# Allegro board Lay-45699_A.brd (continued)
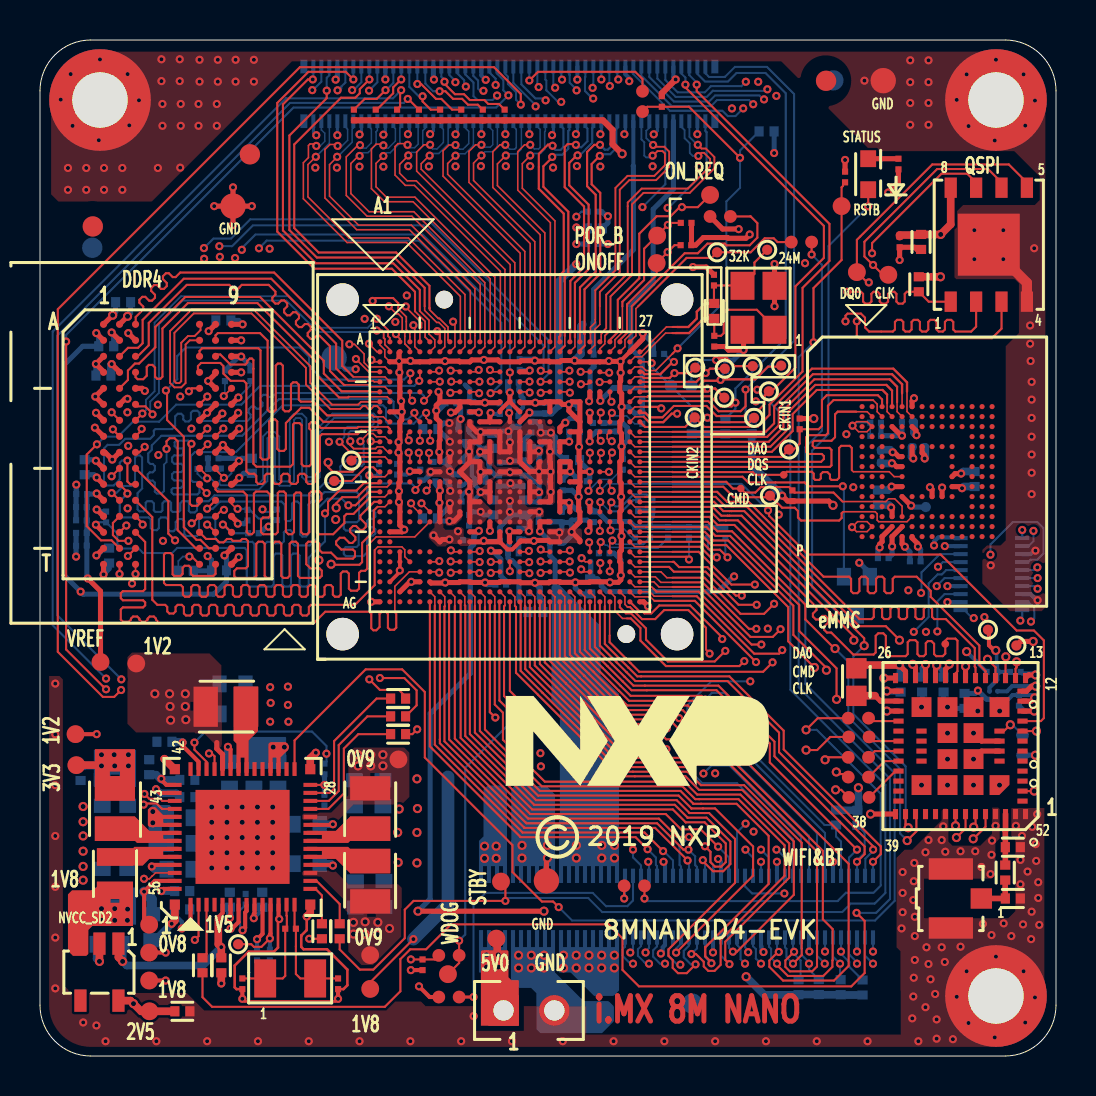
[diagram p0: board, top side]
## Routing (per net, layer and track width the routed paths; a pad name or vN(x,y) marks a point on that pad's centre or on a via; arc(x,y) is an arc through that point) (continued)
VDD_ARM_0V9: length 7.5
  TOP w0.254: v1(24.45,26.25) 24.49,26.29 U1.W16 ; v1(24.97,27.21) U1.V16
  BOTTOM w0.254: C36.1 24.33,26.37 v1(24.45,26.25) 24.45,26.82 C33.1 ; C35.1 23.38,28.5 v1(23.52,28.64) 23.67,28.49 C253.1 ; v1(23.49,27.2) 23.64,27.06 C33.1 ; v1(23.49,27.2) 23.49,27.75 v1(23.5,27.76) ; v1(23.49,27.2) 23.49,26.95 22.99,26.45 C251.1 ; C33.1 24.46,27.06 24.61,27.21 v1(24.97,27.21) 24.94,27.18 C248.1
  vias: v2(15.9,15.06) v2(15.9,14.51) v2(16.54,15.06) v2(16.54,14.51) v2(17.15,15.06) v2(17.15,14.51)
VDD_PHY_1V2: length 69.3
  TOP w0.203: U8.44 5.99,13.15 v1(5.8,13.34) ; TP31.1 v1(2.83,16.09)
  TOP w0.254: U1.J15 24.46,32.17 v1(24.47,32.17)
  L3_IN1 w0.203: v1(2.83,16.09) 4.2,16.09 5.21,15.09 5.21,13.93 v1(5.8,13.34)
  L4_PWR_1 w0.381: v1(5.8,13.34) 6.28,13.34 7.45,14.51 14.02,14.51 14.83,13.69 18.68,13.69 v2(18.85,13.86)
  L5_PWR_2 w0.381: v1(26.81,39.59) 26.81,38.67 30.05,35.44 30.05,32.21 31.75,30.51 31.75,22.97 30.4,21.63 30.4,18.21 26.07,13.87 18.86,13.87 v2(18.85,13.86)
  BOTTOM w0.305: v1(24.47,32.17) 24.52,32.13 C244.1 25.57,32.13 25.95,32.51
  BOTTOM w0.381: C351.1 6.8,13.13 6.01,13.13 v1(5.8,13.34) ; 25.95,32.51 25.95,38.73 v1(26.81,39.59)
VDD_SNVS_0V8: length 86.6
  TOP w0.203: TP29.1 v1(6.28,5.17) ; v1(10.13,6.28) 10.26,6.41 10.26,7.18 10.33,7.25 U8.8
  TOP w0.254: U1.K22 27.49,30.74 v1(27.48,30.73) ; R113.1 34.13,41.35 34.93,41.35 v1(34.93,41.34)
  L3_IN1 w0.203: v1(10.13,6.28) 10.13,6.89 9.61,7.4 8.73,7.4 7.25,5.92 6.68,5.92 6.28,5.53 v1(6.28,5.17)
  L3_IN1 w0.254: v1(34.93,41.34) 34.93,40.91 35.71,40.14 36.83,40.14 39.13,37.84 39.13,35.47 36.46,32.79 36.46,32.46 35.03,31.03 30.29,31.03 29.9,31.42 28.06,31.42 27.48,30.85 v1(27.48,30.73)
  L3_IN1 w0.381: v1(25.05,14.48) 19.64,9.07 19.64,3.35 19.2,2.92 17.02,2.92 15.79,4.15 6.78,4.15 6.28,4.64 v1(6.28,5.17)
  L5_PWR_2 w0.381: v1(25.05,14.48) 25.79,14.48 28.25,16.93 28.25,21.63 30.93,24.31 30.93,30.03 29.71,31.25 27.75,31.25 27.48,30.99 v1(27.48,30.73)
  BOTTOM w0.104: v1(10.13,6.28) 10.01,6.41 10.01,7.29 C337.1
  BOTTOM w0.254: C9.1 27.82,31.23 27.48,30.9 v1(27.48,30.73)
VDD_SOC&DRAM&PU_0V9: length 36.5
  TOP w0.203: v1(23.46,32.15) 23.49,32.12 U1.J14
  TOP w0.254: v1(22.03,31.2) 21.99,31.17 U1.L11 U1.L10 21.49,30.26 v1(21.46,30.22) 21.49,30.19 U1.N10 ; v1(22.03,31.2) 21.83,31.2 21.49,31.54 U1.J10 ; v1(22.03,31.2) 22.03,31.21 U1.K12 U1.K13 U1.L13 U1.M13 U1.M14 v1(23.49,30.69) ; U1.U10 21.49,28.17 v1(21.45,28.21) 21.49,28.26 U1.R10 U1.P9 U1.N10 ; U1.U10 U1.W10 ; U1.U10 U1.U11 ; v1(22.03,29.21) 21.99,29.17 U1.R11 ; v1(22.03,29.21) 21.99,29.24 U1.N11 U1.N10 ; v1(22.03,29.21) 22.03,29.21 U1.P12 ; v1(24.95,29.23) 24.51,29.23 U1.P16 U1.N15 U1.M15 U1.L15 U1.K15 ; v1(24.95,29.23) 24.96,29.22 v1(25.52,29.22) ; v1(24.95,29.23) 24.95,29.67 U1.N17 ; v1(24.95,29.23) 24.95,28.75 U1.R17 ; U1.L17 U1.L18 25.5,30.7 v1(25.5,30.21) 25.49,30.21 U1.N18 25.52,29.68 v1(25.52,29.22) ; v1(25.52,29.22) 25.52,28.74 U1.R18 25.53,28.67 v1(25.53,28.2) 25.53,27.75 U1.U18 U1.U17
  BOTTOM w0.203: C61.1 21.08,28.02 21.27,28.21 v1(21.45,28.21) ; C74.1 21.13,29.9 v1(21.46,30.22)
  BOTTOM w0.254: v1(22.03,29.21) 22.29,28.95 C54.1 ; C234.2 25.82,30.21 v1(25.5,30.21) ; C15.1 25.53,27.77 v1(25.53,28.2) 25.5,28.24 C255.1 25.5,29.19 v1(25.52,29.22) ; v1(21.46,30.22) 21.46,30.32 21.25,30.52 C78.1 ; C55.1 22.18,27.06 v1(22.03,27.21) 21.61,27.21 C48.1 ; v1(23.49,30.69) 23.48,30.7 23.48,31.19 v1(23.42,31.24) 23.42,31.24 23.01,31.24 22.9,31.14 C20.1 22.09,31.14 v1(22.03,31.2) ; C256.1 24.83,31.71 25.04,31.5 v1(25.04,31.17) 25.54,31.17 v1(25.54,31.17) 25.77,30.94 C235.1 25.77,30.49 v1(25.5,30.21) ; v1(25.5,30.21) 25.5,29.72 C254.1 25.49,29.25 v1(25.52,29.22) ; v1(25.52,29.22) 24.96,29.22 v1(24.95,29.23) 24.68,29.23 C247.1 24.15,29.76 v1(23.5,29.76) 23.42,29.67 C16.1
  BOTTOM w0.305: C1.1 23.46,32.52 v1(23.46,32.15) ; v1(23.42,31.24) 23.65,31.46 C65.1
  vias: v2(15.67,6.68) v2(15.67,6.1) v2(16.26,6.71) v2(16.26,6.1) v2(16.89,6.68) v2(16.87,6.07) v2(17.48,6.38)
VDDA_1V8: length 43.1
  TOP w0.104: v1(18.67,5.84) 16.51,3.68 TP32.1
  TOP w0.203: v1(9.5,6.9) 9.5,7.03 9.53,7.06 U8.6 ; U1.H15 U1.G14 23.44,32.71 22.99,32.27 U1.H13
  TOP w0.254: U1.R19 U1.P19 ; U1.P19 U1.N19 U1.N20 26.51,29.69 v1(26.51,29.23) 26.49,29.21 U1.P19 ; U1.P5 18.97,29.23 v1(18.49,29.23) ; U1.AA14 23.47,25.73 v1(23.47,26.24) 23.5,26.21 U1.Y15 ; U1.G14 v1(23.49,33.17)
  L3_IN1 w0.254: v1(18.49,29.23) 18.95,28.77 22.7,28.77
  L3_IN1 w0.381: v1(9.5,6.9) 8.95,6.9 8.54,6.5 8.54,5.23 8.85,4.92 10,4.92 10.3,5.22
  L3_IN1 w0.508: v1(18.67,5.84) 18.16,5.84 17.53,5.22 10.3,5.22
  BOTTOM w0.203: C267.1 18.33,29.07 v1(18.49,29.23)
  BOTTOM w0.254: C101.1 26.13,28.86 v1(26.51,29.23) 26.8,28.94 C104.1 ; v1(23.47,26.24) 23.47,25.58 23.4,25.51 C99.1 23.4,24.9 23.53,24.77 23.6,24.77 23.95,24.43 23.95,22.83 24.01,22.77
  BOTTOM w0.305: C100.1 23.4,33.26 v1(23.49,33.17)
  BOTTOM w0.381: C363.1 9.49,6.96 9.49,6.96 9.49,6.9 v1(9.5,6.9)
  BOTTOM w0.635: 20.4,13.95 20.4,7.57 v1(18.67,5.84)
VIN_LDO: length 3.6
  TOP w0.254: v2(42.96,19.55) 43.28,19.24 U6.25
  TOP w0.381: v2(42.96,19.55) 40.98,19.55 L2.1
  BOTTOM w0.381: v2(42.96,19.55) 43.03,19.48 C141.1
32K_CLKIN: length 1.6
  TOP w0.104: R115.2 41.58,16.75 U6.30
ANT_IN0: length 2.6
  TOP w0.279: U6.50 48.28,11.27 48.27,11.26 L4.1 48.27,9.55 R44.2
BOOT_MODE0: length 28.8
  TOP w0.076: U1.G26 29.75,32.96 30.37,32.96
  TOP w0.104: 30.39,32.99 33.52,32.99 34.03,32.48 34.58,32.48 v1(34.77,32.67)
  TOP w0.114: 30.37,32.96 30.39,32.99
  BOTTOM w0.104: R47.1 34.77,32.36 v1(34.77,32.67) 34.77,33.37 37.29,35.89 37.29,48.14 36.27,49.15 34.82,49.15 34.39,48.72 33.25,48.72 32.87,49.11 J4.98
BOOT_MODE1: length 29.4
  TOP w0.104: v1(35.28,33.32) 35.28,32.49 35.03,32.24 33.93,32.24 33.42,32.74 30.03,32.74
  TOP w0.114: 30.03,32.74 U1.G27
  BOTTOM w0.104: R79.1 35.28,32.17 v1(35.28,33.32) 37.7,35.75 37.7,48.1 36.35,49.46 34.75,49.46 34.25,48.95 33.45,48.95 33.27,49.14 J4.100
BOOT_MODE2: length 4.2
  TOP w0.076: U1.C27 30.44,34.71 30.51,34.65 v1(30.58,34.65)
  BOTTOM w0.104: R78.1 32.59,32.46 R155.1 30.58,34.47 v1(30.58,34.65)
BOOT_MODE3: length 21.6
  TOP w0.076: 31.63,35.12 30.78,34.27 30.3,34.27 30.12,34.46 29.74,34.46 U1.D26
  TOP w0.104: v1(31.88,35.38) 31.88,35.37 31.63,35.12 ; v1(35,44.91) 32.45,47.46 R135.1 30.37,47.46 R134.1
  BOTTOM w0.104: R77.1 35,45.28 v1(35,44.91) 35,43.41 34.32,42.72 34.32,37.82 v1(31.88,35.38)
BT_REG_ON: length 29
  TOP w0.076: 31.63,27.71 U1.U27
  TOP w0.104: U6.8 v2(49.82,16.25) ; 31.63,27.71 33.7,27.71 34.17,27.25 34.48,27.25 34.57,27.25 35.21,27.25 40.97,21.49 42.29,21.49 42.97,20.81 v2(42.97,20.79)
  L3_IN1 w0.081: v2(49.82,16.25) 50.24,16.67 50.24,20.83 49.94,21.13 49.25,21.13 49.16,21.05 45.76,21.05 45.34,20.63 43.13,20.63 v2(42.97,20.79)
BT_WAKE_DEV: length 26.1
  TOP w0.076: U1.U26 29.75,27.46 30.27,27.46
  TOP w0.104: v2(41.21,20.52) 41.21,20.89 35.08,27.01 34.47,27.01 34.38,27.01 34.07,27.01 33.63,27.46 30.27,27.46 ; v2(43.41,11.41) 43.41,11.45 43.28,11.58 U6.40
  BOTTOM w0.104: v2(41.21,20.52) 40.67,19.97 40.67,17.1 43.28,14.48 43.28,11.54 v2(43.41,11.41)
BT_WAKE_HOST: length 25.4
  TOP w0.076: 31.63,26.71 U1.W27
  TOP w0.104: v2(43.36,10.77) 43.82,11.23 43.82,12.05 U6.41 ; 31.63,26.71 33.39,26.71 33.87,26.24 34.6,26.24 38.27,22.57 38.27,21.83 39.73,20.37 v2(39.75,20.37)
  BOTTOM w0.104: v2(43.36,10.77) 43,11.13 43,14.35 40.41,16.94 40.41,19.71 v2(39.75,20.37)
CLK_32K_OUT: length 76.6
  TOP w0.104: v1(25.93,7.44) 25.66,7.72 25.1,7.72 23.62,9.2 23.62,10.54 19.24,14.93 19.24,18.2 18.11,19.33 16.28,19.33 12.73,15.78 U8.29 ; R100.1 v1(38.58,40.07)
  BOTTOM w0.104: v1(38.58,40.07) 39.1,39.56 39.1,31.27 38.27,30.44 38.27,18.61 42.73,14.14 42.73,7.76 41.75,6.77 26.6,6.77 v1(25.93,7.44)
CLKIN1: length 28.2
  TOP w0.104: v1(32.27,48.57) 32.27,48.43 39.19,41.51 39.19,39.91 37.77,38.48 37.77,34.42 36.58,33.24 TP20.1 36.23,33.02 36.23,32.6 35.98,32.35 35.53,32.35 35.18,32 33.83,32 33.32,32.5 31.7,32.5 31.13,31.93
  TOP w0.114: U1.H27 30.04,32.16 30.26,32.16 30.49,31.93 31.13,31.93
  BOTTOM w0.104: J4.94 32.07,49.12 32.27,48.92 v1(32.27,48.57)
CLKIN2: length 28.8
  TOP w0.104: 30.25,31.45 32.26,31.45 TP21.1 33.22,31.45 35.87,31.45 36.48,32.06 36.48,32.57 38.13,34.22 38.13,38.41 39.47,39.75 39.47,41.61 32.84,48.24 v1(32.84,48.57)
  TOP w0.114: U1.J27 30.25,31.45
  BOTTOM w0.104: J4.96 32.47,49.04 32.84,48.67 v1(32.84,48.57)
CLKOUT1: length 28
  TOP w0.076: 30.23,32.46 29.74,32.46 U1.H26
  TOP w0.114: v1(31.06,32.38) 30.99,32.46 30.23,32.46
  L3_IN1 w0.081: v1(31.06,32.38) 31.67,32.99 33.74,32.99 34.61,33.86 34.61,34.9 34.29,35.22 34.29,45.34 33.12,46.51 31.14,46.51 30.74,46.92 28.01,46.92 27.66,47.26 27.33,47.26 26.46,48.13 26.46,48.46 v1(26.1,48.82)
  BOTTOM w0.104: v1(26.1,48.82) 26.07,48.85 J4.64
CLKOUT2: length 28.4
  TOP w0.076: U1.J26 29.75,31.96 30.18,31.96
  TOP w0.114: 30.18,31.96 30.45,31.69 31.16,31.69 31.58,32.12 v1(31.86,32.12)
  L3_IN1 w0.081: v1(31.86,32.12) 32.51,32.77 33.81,32.77 34.82,33.78 34.82,35.22 34.55,35.49 34.55,45.38 33.2,46.72 31.23,46.72 30.79,47.17 28.15,47.17 27.81,47.5 27.51,47.5 26.83,48.18 v1(26.83,48.28)
  BOTTOM w0.104: v1(26.83,48.28) 26.83,48.32 26.48,48.66 26.48,49.05 26.47,49.07 J4.66
CSI_CKN: length 13.5
  TOP w0.076: U1.A16 24.51,35.73 24.51,40.62 21.45,43.68 21.45,45.23 21.78,45.56 v1(22.07,45.56)
  BOTTOM w0.076: v1(22.07,45.56) 22.19,45.44 22.51,45.44 22.64,45.57 22.64,46.27 22.47,46.44 J4.45
CSI_CKP: length 13.6
  TOP w0.076: v1(22.07,45.02) 22.06,45.02 21.68,44.64 21.68,43.78 23.46,42 24.74,40.71 24.74,35.46 U1.B16
  BOTTOM w0.076: v1(22.07,45.02) 22.26,45.21 22.61,45.21 22.87,45.47 J4.47
CSI_DN0: length 14.3
  TOP w0.076: v1(19.51,45.56) 19.2,45.56 18.83,45.2 18.83,44.25 23.51,39.57 23.51,35.73 U1.A14
  BOTTOM w0.076: v1(19.51,45.56) 19.51,45.48 19.63,45.35 19.85,45.35 20.17,45.68 20.17,46.33 20.07,46.43 J4.33
CSI_DN1: length 14
  TOP w0.076: U1.A15 24.01,35.73 24.01,40.14 20.15,43.99 20.15,45.26 20.44,45.55 v1(20.78,45.55)
  BOTTOM w0.076: v1(20.78,45.55) 20.98,45.34 21.15,45.34 21.44,45.63 21.44,46.23 21.27,46.4 J4.39
CSI_DN2: length 13.3
  TOP w0.076: U1.A17 25.01,35.73 25.01,41.06 22.64,43.43 22.64,45.21 22.99,45.56 v1(23.26,45.56)
  BOTTOM w0.076: v1(23.26,45.56) 23.49,45.34 23.73,45.34 23.81,45.42 23.81,46.33 23.67,46.48 J4.51
CSI_DN3: length 12.9
  TOP w0.076: U1.A18 25.52,35.73 25.52,41.66 23.89,43.29 23.89,45.22 24.23,45.56 v1(24.51,45.56)
  BOTTOM w0.076: J4.57 24.87,46.47 25,46.33 25,45.43 24.93,45.35 24.72,45.35 v1(24.51,45.56)
CSI_DP0: length 14.4
  TOP w0.076: v1(19.48,45.02) 19.46,45.02 19.06,44.62 19.06,44.34 23.74,39.66 23.74,35.46 U1.B14
  BOTTOM w0.076: J4.35 20.47,46.43 20.41,46.37 20.41,45.59 19.94,45.12 19.59,45.12 v1(19.48,45.02)
CSI_DP1: length 14
  TOP w0.076: U1.B15 24.24,35.46 24.24,40.23 20.38,44.09 20.38,44.62 v1(20.78,45.02)
  BOTTOM w0.076: J4.41 21.67,45.53 21.25,45.11 20.87,45.11 v1(20.78,45.02)
CSI_DP2: length 13.4
  TOP w0.076: U1.B17 25.24,35.46 25.24,41.15 22.87,43.52 22.87,44.61 v1(23.29,45.03)
  BOTTOM w0.076: v1(23.29,45.03) 23.37,45.11 23.83,45.11 24.07,45.35 J4.53
CSI_DP3: length 13
  TOP w0.076: U1.B18 25.75,35.46 25.75,41.76 24.12,43.39 24.12,44.62 24.51,45.01 v1(24.51,45.03)
  BOTTOM w0.076: v1(24.51,45.03) 24.61,45.12 25.02,45.12 25.23,45.33 25.23,46.21 25.27,46.25 J4.59
DRAM_A0: length 28.5
  TOP w0.076: U1.AD5 18.47,24.21 17.74,23.48 17.74,22.18 17.81,22.11
  TOP w0.104: 17.81,22.11 17.81,21.42 17.71,21.31 17.5,21.31 17.4,21.42 17.4,22.11 17.29,22.21 17.08,22.21 16.98,22.11 16.98,21.45 16.81,21.28 16.67,21.28 16.56,21.39 16.56,22.11 16.46,22.21 14.26,22.21 13.69,21.64 5.98,21.64 5.8,21.82 5.8,21.87 5.69,21.97 5.49,21.97 5.38,21.87 5.38,21.82 5.28,21.72 5.07,21.72 4.96,21.82 4.96,21.87 4.86,21.97 4.65,21.97 4.55,21.87 4.55,21.82 4.44,21.72 4.14,21.72 4.04,21.82 4.04,22.33 4.14,22.43 5.15,22.43 5.26,22.53 5.26,22.68 5.15,22.79 4.14,22.79 4.04,22.89 4.04,23.14 4.14,23.24 5.15,23.24 5.26,23.35 5.26,25.7 U2.P3
DRAM_A1: length 31.2
  TOP w0.104: U1.U1 16.71,27.71 16.02,27.02 16.02,26.87 16.29,26.6 16.29,26.45 16.14,26.31 16,26.31 15.8,26.5 15.65,26.5 15.51,26.35 15.51,26.21 15.77,25.95 15.77,25.8 15.62,25.65 15.47,25.65 15.21,25.91 14.99,25.91 14.81,25.73 14.81,25.58 15.06,25.33 15.64,25.33 15.75,25.22 15.75,24.97 15.64,24.87 14.85,24.87 14.55,25.17 14.1,25.17 13.97,25.3 13.97,25.61 13.86,25.71 13.42,25.71 13.31,25.61 13.31,24.59 13.52,24.38 13.97,24.38 14.09,24.27 14.09,24.01 13.98,23.9 13,23.9 12.9,24.01 12.9,25.61 12.79,25.71 12.59,25.71 12.48,25.61 12.48,24.01 12.38,23.9 12.17,23.9 12.06,24.01 12.06,25.61 11.96,25.71 11.75,25.71 11.65,25.61 11.65,24.01 11.54,23.9 11.34,23.9 11.23,24.01 11.23,25.61 11.13,25.71 10.92,25.71 10.82,25.61 10.82,24.01 10.71,23.9 9.81,23.9 9.71,23.99 9.71,24.25 9.85,24.39 10.29,24.39 10.4,24.49 10.4,25.75 10.29,25.85 10.11,25.85 10.02,25.76 9.65,25.76 9.55,25.85 9.35,25.85 9.18,25.68 8.97,25.68 8.8,25.85 8.31,25.85 U2.P7
DRAM_A2: length 26.9
  TOP w0.076: 16.88,27.46 17.25,27.46 U1.U2
  TOP w0.104: v2(14.56,24.59) 14.58,24.56 15.97,24.56 16.1,24.69 16.1,25.66 16.69,26.24 16.69,27.27 16.88,27.46 ; U2.R3 v1(4.4,25)
  L3_IN1 w0.081: v2(14.56,24.59) 14.56,24.42 14.47,24.33 13.39,24.33 12.87,23.82 12.87,23.22 12.79,23.14 12.62,23.14 12.54,23.22 12.54,23.59 12.46,23.67 12.3,23.67 12.22,23.59 12.22,23.22 12.14,23.14 11.97,23.14 11.89,23.22 11.89,23.59 11.81,23.67 11.65,23.67 11.57,23.59 11.57,23.22 11.49,23.14 11.32,23.14 11.24,23.22 11.24,23.59 11.16,23.67 11,23.67 10.92,23.59 10.92,23.22 10.84,23.14 10.67,23.14 10.59,23.22 10.59,23.59 10.51,23.67 10.35,23.67 10.27,23.59 10.27,23.22 10.19,23.14 10.02,23.14 9.94,23.22 9.94,23.59 9.86,23.67 9.7,23.67 9.62,23.59 9.62,23.22 9.54,23.14 9.37,23.14 9.29,23.22 9.29,23.59 9.21,23.67 9.05,23.67 8.97,23.59 8.97,23.22 8.89,23.14 8.72,23.14 8.64,23.22 8.64,23.59 8.56,23.67 8.4,23.67 8.32,23.59 8.32,23.22 8.23,23.14 8.07,23.14 7.99,23.22 7.99,23.59 7.91,23.67 7.75,23.67 7.67,23.59 7.67,23.22 7.58,23.14 7.42,23.14 7.34,23.22 7.34,23.59 7.26,23.67 7.1,23.67 7.02,23.59 7.02,23.22 6.93,23.14 6.77,23.14 6.69,23.22 6.69,23.59 6.61,23.67 6.45,23.67 6.37,23.59 6.37,23.22 6.28,23.14 6.12,23.14 6.04,23.22 6.04,23.59 5.96,23.67 5.72,23.67 v1(4.4,25)
DRAM_A3: length 29.5
  TOP w0.076: v1(19.45,30.16) 19.44,30.15 19.44,29.76 U1.N6
  TOP w0.104: v1(7.58,26.63) 7.6,26.66 7.65,26.66 U2.N7
  L3_IN1 w0.081: v1(7.58,26.63) 7.62,26.67 7.62,27.2 7.54,27.28 7.29,27.28 7.14,27.13 7.14,25.5 6.91,25.27 6.1,25.27 6.02,25.19 6.02,24.89 6.15,24.77 6.81,24.77 6.99,24.59 11.99,24.59 13.23,25.83 15.37,25.83 15.67,25.53 15.67,25.07 15.75,25 15.9,25 16,25.1 16,25.73 16.1,25.83 16.64,25.83 16.79,25.68 16.79,25.45 15.68,24.34 15.68,24.23 15.82,24.09 15.93,24.09 17.53,25.68 17.53,26.77 17.58,26.82 18.13,26.82 18.21,26.91 18.21,27.15 18.13,27.23 17.65,27.23 17.55,27.33 17.55,28.81 18.37,29.62 19.08,29.62 19.45,29.99 v1(19.45,30.16)
DRAM_A4: length 26.1
  TOP w0.076: U1.K5 v1(18.99,30.76)
  TOP w0.104: v1(5.13,26.57) 5.13,26.63 U2.N3
  L3_IN1 w0.081: v1(18.99,30.76) 19.2,30.97 19.2,31.27 19,31.47 17.5,31.47 17.43,31.55 17.43,32.87 17.25,33.05 12.22,33.05 11.67,32.5 11.67,30.13 10.07,28.53 7.22,28.53 7.14,28.61 7.14,29.03 7.06,29.11 6.89,29.11 6.81,29.03 6.81,28.57 6.73,28.49 6.57,28.49 6.49,28.57 6.49,29.03 6.41,29.11 6.24,29.11 6.16,29.03 6.16,28.57 6.08,28.49 5.92,28.49 5.84,28.57 5.84,29.03 5.76,29.11 5.16,29.11 4.73,28.68 4.73,26.65 4.81,26.57 v1(5.13,26.57)
DRAM_A5: length 27.9
  TOP w0.076: U1.N5 18.99,30.11 v1(18.94,30.16)
  TOP w0.104: v1(8.36,26.57) 8.39,26.57 U2.P8
  L3_IN1 w0.081: v1(8.36,26.57) 8.36,26.25 8.49,26.11 10.58,26.11 10.67,26.02 10.67,25.9 10.48,25.71 7.93,25.71 7.8,25.84 7.8,26.18 7.71,26.27 7.5,26.27 7.42,26.18 7.42,25.5 7.52,25.4 10.23,25.4 10.31,25.32 10.31,24.95 10.4,24.87 10.53,24.87 10.62,24.95 10.62,25.32 10.7,25.4 10.82,25.4 10.9,25.32 10.9,24.95 10.99,24.87 11.12,24.87 11.2,24.95 11.2,25.41 11.29,25.49 11.43,25.49 11.53,25.39 11.53,25.33 11.53,24.92 11.61,24.84 11.81,24.84 11.89,24.92 11.89,26.06 11.97,26.14 12.11,26.14 12.19,26.06 12.19,25.6 12.31,25.48 12.5,25.48 12.6,25.58 12.6,26.01 12.73,26.14 17.15,26.14 17.25,26.24 17.25,28.76 18.32,29.83 18.83,29.83 18.94,29.94 v1(18.94,30.16)
DRAM_A6: length 27.4
  TOP w0.084: v1(18.43,30.17) 18.49,30.12 18.49,29.71 U1.N4
  TOP w0.104: U2.P2 4.32,26.52 v1(4.32,26.52)
  L3_IN1 w0.081: v1(18.43,30.17) 18.05,29.8 17.17,29.8 17.04,29.92 17.04,30.25 17.15,30.35 17.43,30.35 17.53,30.46 17.53,30.68 17.4,30.81 17.12,30.81 16.92,31.02 16.92,31.68 16.77,31.83 12.4,31.83 12.24,31.68 12.24,29.34 10.9,27.99 8.81,27.99 8.59,27.76 7.83,27.76 7.75,27.85 7.75,28.19 7.67,28.27 7.5,28.27 7.42,28.19 7.42,27.85 7.34,27.76 7.18,27.76 7.1,27.85 7.1,28.19 7.02,28.27 6.85,28.27 6.77,28.19 6.77,27.85 6.69,27.76 6.53,27.76 6.45,27.85 6.45,28.19 6.37,28.27 6.2,28.27 6.12,28.19 6.12,27.85 6.04,27.76 5.85,27.76 5.77,27.85 5.77,28.22 5.69,28.3 5.56,28.3 5.48,28.21 5.48,28.14 5.4,28.05 5.06,28.05 4.98,27.97 4.98,27.81 5.06,27.73 5.4,27.73 5.48,27.65 5.48,27.49 5.4,27.4 5.06,27.4 4.98,27.32 4.98,27.16 5.06,27.08 5.4,27.08 5.48,27 5.48,26.36 5.31,26.19 4.76,26.19 4.42,26.52 v1(4.32,26.52)
DRAM_A7: length 24.5
  TOP w0.084: U1.E4 18.49,34.12 v1(18.52,34.14)
  TOP w0.104: v1(6.3,33.28) 6.35,33.22 6.35,31.8 7.19,30.96 7.19,26.44 7.82,25.81 8.02,25.81 8.45,25.38 U2.R8
  BOTTOM w0.104: v1(18.52,34.14) 18.2,33.82 14.13,33.82 13.46,34.5 13.46,34.96 12.99,35.43 7.29,35.43 6.86,34.99 6.86,33.84 v1(6.3,33.28)
DRAM_A8: length 24.3
  TOP w0.084: U1.D5 18.99,33.79 v1(18.96,33.76)
  TOP w0.104: U2.R2 3.58,25.78 3.05,25.78 2.34,26.49 2.34,30.08 v1(2.85,30.58)
  BOTTOM w0.104: v1(2.85,30.58) 3.23,30.96 3.9,30.96 4.65,31.71 5.95,31.71 6.81,32.57 10.07,32.57 11,33.5 18.71,33.5 v1(18.96,33.76)
DRAM_A9: length 28.3
  TOP w0.076: U1.J5 18.77,31.93 18.77,32.11 v1(18.72,32.16)
  TOP w0.104: v1(6.33,30.35) 6.33,30.73 6.48,30.89 6.73,30.89 6.88,30.73 6.88,26.29 7.79,25.38 U2.R7
  BOTTOM w0.091: 6.2,29.57 6.33,29.69 v1(6.33,30.35)
  BOTTOM w0.104: 6.2,29.57 6.2,28.25 6.07,28.12 5.85,28.12 5.74,28.22 5.74,28.66 5.64,28.77 5.49,28.77 5.39,28.87 5.39,29.08 5.49,29.19 5.64,29.19 5.74,29.29 5.74,29.5 5.64,29.6 5.52,29.6 5.41,29.71 5.41,30.13 5.59,30.31 5.59,30.53 6.07,31.01 10.11,31.01 11.94,32.84 17.55,32.84 17.68,32.72 17.68,32.11 17.96,31.83 18.39,31.83 v1(18.72,32.16)
DRAM_A10: length 28.2
  TOP w0.076: 16.73,25.3 16.89,25.46 18.1,25.46 18.24,25.31 18.24,24.96 U1.AC4
  TOP w0.104: 16.73,25.3 16.73,23.54 15.75,22.56 13.55,22.56 13.44,22.45 13.44,22.13 13.34,22.02 13.13,22.02 13.03,22.13 13.03,22.45 12.92,22.56 12.71,22.56 12.61,22.45 12.61,22.13 12.51,22.02 12.3,22.02 12.19,22.13 12.19,22.45 12.09,22.56 11.88,22.56 11.78,22.45 11.78,22.13 11.67,22.02 11.46,22.02 11.36,22.13 11.36,22.45 11.26,22.56 11.05,22.56 10.94,22.45 10.94,22.13 10.84,22.02 10.63,22.02 10.53,22.13 10.53,22.45 10.42,22.56 10.22,22.56 10.11,22.45 10.11,22.13 10.01,22.02 9.8,22.02 9.69,22.13 9.69,22.45 9.59,22.56 9.38,22.56 9.28,22.45 9.28,22.13 9.17,22.02 8.97,22.02 8.86,22.13 8.86,22.45 8.76,22.56 8.55,22.56 8.44,22.45 8.44,22.13 8.34,22.02 8.13,22.02 8.03,22.13 8.03,22.45 7.92,22.56 7.72,22.56 7.61,22.45 7.61,22.13 7.51,22.02 7.3,22.02 7.2,22.13 7.2,22.45 7.09,22.56 6.88,22.56 6.78,22.45 6.78,22.23 6.67,22.13 6.47,22.13 6.36,22.23 6.36,22.45 6.26,22.56 5.87,22.56 5.61,22.81 5.61,26.95 U2.M3
DRAM_A11: length 28.1
  TOP w0.084: v1(19.51,30.76) 19.49,30.78 U1.K6
  TOP w0.104: v1(3.98,24.1) U2.T2
  L3_IN1 w0.081: v1(19.51,30.76) 19.51,31.55 19.36,31.7 17.76,31.7 17.68,31.78 17.68,33.2 17.55,33.33 11.66,33.33 11.43,33.1 11.43,30.48 10.36,29.41 9.39,29.41 9.31,29.49 9.31,29.79 9.23,29.87 9.07,29.87 8.99,29.79 8.99,29.49 8.91,29.41 8.74,29.41 8.66,29.49 8.66,29.79 8.58,29.87 8.42,29.87 8.34,29.79 8.34,29.49 8.26,29.41 5.05,29.41 3.97,28.33 3.97,25.32 3.98,25.31 v1(3.98,24.1)
DRAM_A12: length 27.7
  TOP w0.084: U1.J6 19.31,31.9 v1(19.31,32.15)
  TOP w0.104: v1(7.57,30.61) 7.49,30.53 7.49,27.61 7.6,27.51 7.87,27.51 7.98,27.61 U2.M7
  BOTTOM w0.104: v1(7.57,30.61) 7.41,30.77 6.82,30.77 6.73,30.68 6.73,30.49 6.85,30.38 7.11,30.38 7.16,30.33 7.16,30.13 7.06,30.03 6.71,30.03 6.61,29.92 6.61,29.72 6.71,29.61 7.06,29.61 7.16,29.51 7.16,29.3 7.06,29.2 6.71,29.2 6.61,29.09 6.61,28.88 6.71,28.78 7.06,28.78 7.16,28.67 7.16,28.53 7.04,28.4 6.66,28.4 6.58,28.32 6.58,28.18 6.68,28.08 7.87,28.08 7.98,28.18 7.98,28.6 7.88,28.7 7.65,28.7 7.54,28.81 7.54,30 7.74,30.2 9.8,30.2 12.14,32.53 17.15,32.53 17.3,32.39 17.3,31.73 17.4,31.62 18.69,31.62 19.22,32.15 v1(19.31,32.15)
DRAM_A13: length 33
  TOP w0.076: 16.36,25.5 16.81,25.96 18.74,25.96 U1.W6
  TOP w0.104: U2.T8 8.78,24.11 8.67,24 7.65,24 7.55,24.11 7.55,24.41 7.44,24.51 7.24,24.51 7.13,24.41 7.13,24.11 7.03,24 6.71,24 6.63,24.08 6.63,25.04 6.53,25.15 6.27,25.15 6.2,25.07 6.2,23.65 6.3,23.55 7.04,23.55 7.14,23.44 7.14,23.07 7.25,22.96 7.46,22.96 7.56,23.07 7.56,23.44 7.67,23.55 7.87,23.55 7.98,23.44 7.98,23.07 8.08,22.96 8.29,22.96 8.39,23.07 8.39,23.44 8.5,23.55 8.71,23.55 8.81,23.44 8.81,23.07 8.91,22.96 9.12,22.96 9.23,23.07 9.23,23.44 9.33,23.55 9.54,23.55 9.64,23.44 9.64,23.07 9.75,22.96 9.96,22.96 10.06,23.07 10.06,23.44 10.16,23.55 10.37,23.55 10.48,23.44 10.48,23.07 10.58,22.96 10.79,22.96 10.89,23.07 10.89,23.44 11,23.55 11.21,23.55 11.31,23.44 11.31,23.07 11.41,22.96 11.62,22.96 11.73,23.07 11.73,23.44 11.83,23.55 12.04,23.55 12.14,23.44 12.14,23.07 12.25,22.96 12.46,22.96 12.56,23.07 12.56,23.44 12.66,23.55 12.87,23.55 12.98,23.44 12.98,23.07 13.08,22.96 13.29,22.96 13.39,23.07 13.39,23.44 13.5,23.55 13.71,23.55 13.81,23.44 13.81,23.07 13.91,22.96 14.12,22.96 14.23,23.07 14.23,23.44 14.33,23.55 14.54,23.55 14.64,23.44 14.64,23.07 14.75,22.96 14.93,22.96 15.04,23.07 15.04,24.12 15.14,24.22 15.34,24.22 15.44,24.12 15.44,23.37 15.55,23.27 15.85,23.27 15.95,23.37 15.95,24.16 16.05,24.26 16.25,24.26 16.36,24.36 16.36,25.5
DRAM_BA0: length 27.6
  TOP w0.076: v1(19.07,27.63) 19.49,27.21 U1.V6
  TOP w0.104: v1(4.42,25.76) 3.93,25.76 3.64,26.05 3.64,26.65 U2.N2
  L3_IN1 w0.081: v1(4.42,25.76) 4.42,25.55 5.94,24.03 12.4,24.03 13.59,25.22 14.78,25.22 15.04,24.97 15.04,24.06 14.96,23.98 13.44,23.98 13.16,23.7 13.16,22.69 13.24,22.61 15.37,22.61 19.31,26.54 19.31,27.4 v1(19.07,27.63)
DRAM_BA1: length 24.7
  TOP w0.104: v2(14.41,29.68) 14.41,29.44 14.64,29.21 15.62,29.21 16.12,29.71 U1.N1 ; v1(9.2,27.31) 9.1,27.31 U2.N8
  L3_IN1 w0.081: v2(14.41,29.68) 14.4,29.67 14.03,29.67 13.89,29.8 13.89,30.96 14.03,31.09 16.51,31.09 16.64,31.22 16.64,31.44 16.56,31.52 13.7,31.52 13.62,31.44 13.62,29.75 13.53,29.67 13.37,29.67 13.29,29.75 13.29,31.44 13.2,31.52 13.04,31.52 12.96,31.44 12.96,31.23 12.87,31.15 12.6,31.15 12.52,31.07 12.52,30.91 12.6,30.83 12.87,30.83 12.96,30.74 12.96,30.58 12.87,30.5 12.6,30.5 12.52,30.42 12.52,30.26 12.6,30.18 12.87,30.18 12.96,30.09 12.96,29.92 12.85,29.82 12.63,29.82 12.55,29.74 12.55,29.19 11.1,27.74 10.83,27.74 10.75,27.65 10.75,27.34 10.66,27.26 10.42,27.26 10.34,27.34 10.34,27.65 10.25,27.74 9.32,27.74 9.2,27.61 v1(9.2,27.31)
DRAM_BG0: length 27.3
  TOP w0.076: v1(16.02,30.74) 16.41,31.12 16.66,31.12 16.82,30.96 17.24,30.96 U1.L2
  TOP w0.104: v1(3.58,28.14) 3.61,28.14 U2.M2
  BOTTOM w0.104: v1(3.58,28.14) 3.81,28.14 4.17,28.5 4.57,28.5 4.75,28.68 4.75,29.92 4.85,30.03 5,30.03 5.11,29.92 5.11,28.37 4.88,28.14 4.88,27.33 4.98,27.23 5.18,27.23 5.28,27.33 5.28,27.66 5.36,27.74 5.59,27.74 5.69,27.64 5.69,27.28 5.77,27.21 6.05,27.21 6.12,27.28 6.12,27.64 6.22,27.74 6.48,27.74 6.55,27.66 6.55,27.28 6.63,27.21 6.94,27.21 7.01,27.28 7.01,27.64 7.11,27.74 7.39,27.74 7.44,27.69 7.44,27.26 7.52,27.18 7.75,27.18 7.85,27.28 7.85,27.66 7.93,27.74 8.43,27.74 8.72,28.03 13.6,28.03 14.23,28.65 15.95,28.65 16.05,28.76 16.05,28.96 15.95,29.06 15.12,29.06 15.01,29.16 15.01,29.47 15.44,29.9 15.72,29.9 15.83,29.79 15.83,29.6 15.93,29.49 16.08,29.49 16.18,29.6 16.18,30.57 v1(16.02,30.74)
DRAM_BG1: length 23.9
  TOP w0.076: U1.L1 16.56,30.71 v1(16.54,30.74)
  L3_IN1 w0.081: v1(16.54,30.74) 16.76,30.74 16.84,30.65 16.84,30.35 16.69,30.2 14.82,30.2 14.73,30.12 14.73,29.9 14.84,29.8 16.46,29.8 16.54,29.71 16.54,29.55 16.62,29.47 17.17,29.47 17.25,29.38 17.25,29.17 17.17,29.08 16.92,29.08 16.84,29 16.84,28.86 16.74,28.75 16.74,28.38 16.66,28.3 16.18,28.3 16.1,28.37 16.1,29.31 16.03,29.39 15.91,29.39 15.83,29.31 15.83,28.38 15.75,28.3 15.58,28.3 15.5,28.38 15.5,29.26 15.42,29.34 15.26,29.34 15.18,29.26 15.18,28.38 15.1,28.3 14.93,28.3 14.85,28.38 14.85,29.26 14.77,29.34 14.61,29.34 14.53,29.26 14.53,28.38 14.45,28.3 14.28,28.3 14.2,28.38 14.2,29.26 14.12,29.34 13.96,29.34 13.88,29.26 13.88,28.38 13.8,28.3 13.63,28.3 13.55,28.38 13.55,29.26 13.47,29.34 13.24,29.34 13.16,29.26 13.16,28.84 13.08,28.75 12.55,28.75 v1(11.13,27.33)
  BOTTOM w0.104: R158.1 11.73,27.21 11.25,27.21 v1(11.13,27.33)
DRAM_CK_C: length 28.1
  TOP w0.076: U1.M2 17.39,30.21 17.14,30.46 16.87,30.46 16.78,30.37
  TOP w0.091: v1(9.2,28.91) 8.78,29.33 U2.K8 ; 16.78,30.37 15.69,30.37 15.51,30.54 v1(15.51,30.74)